# KiCad board 4servoboard-4x4.kicad_pcb (continued)
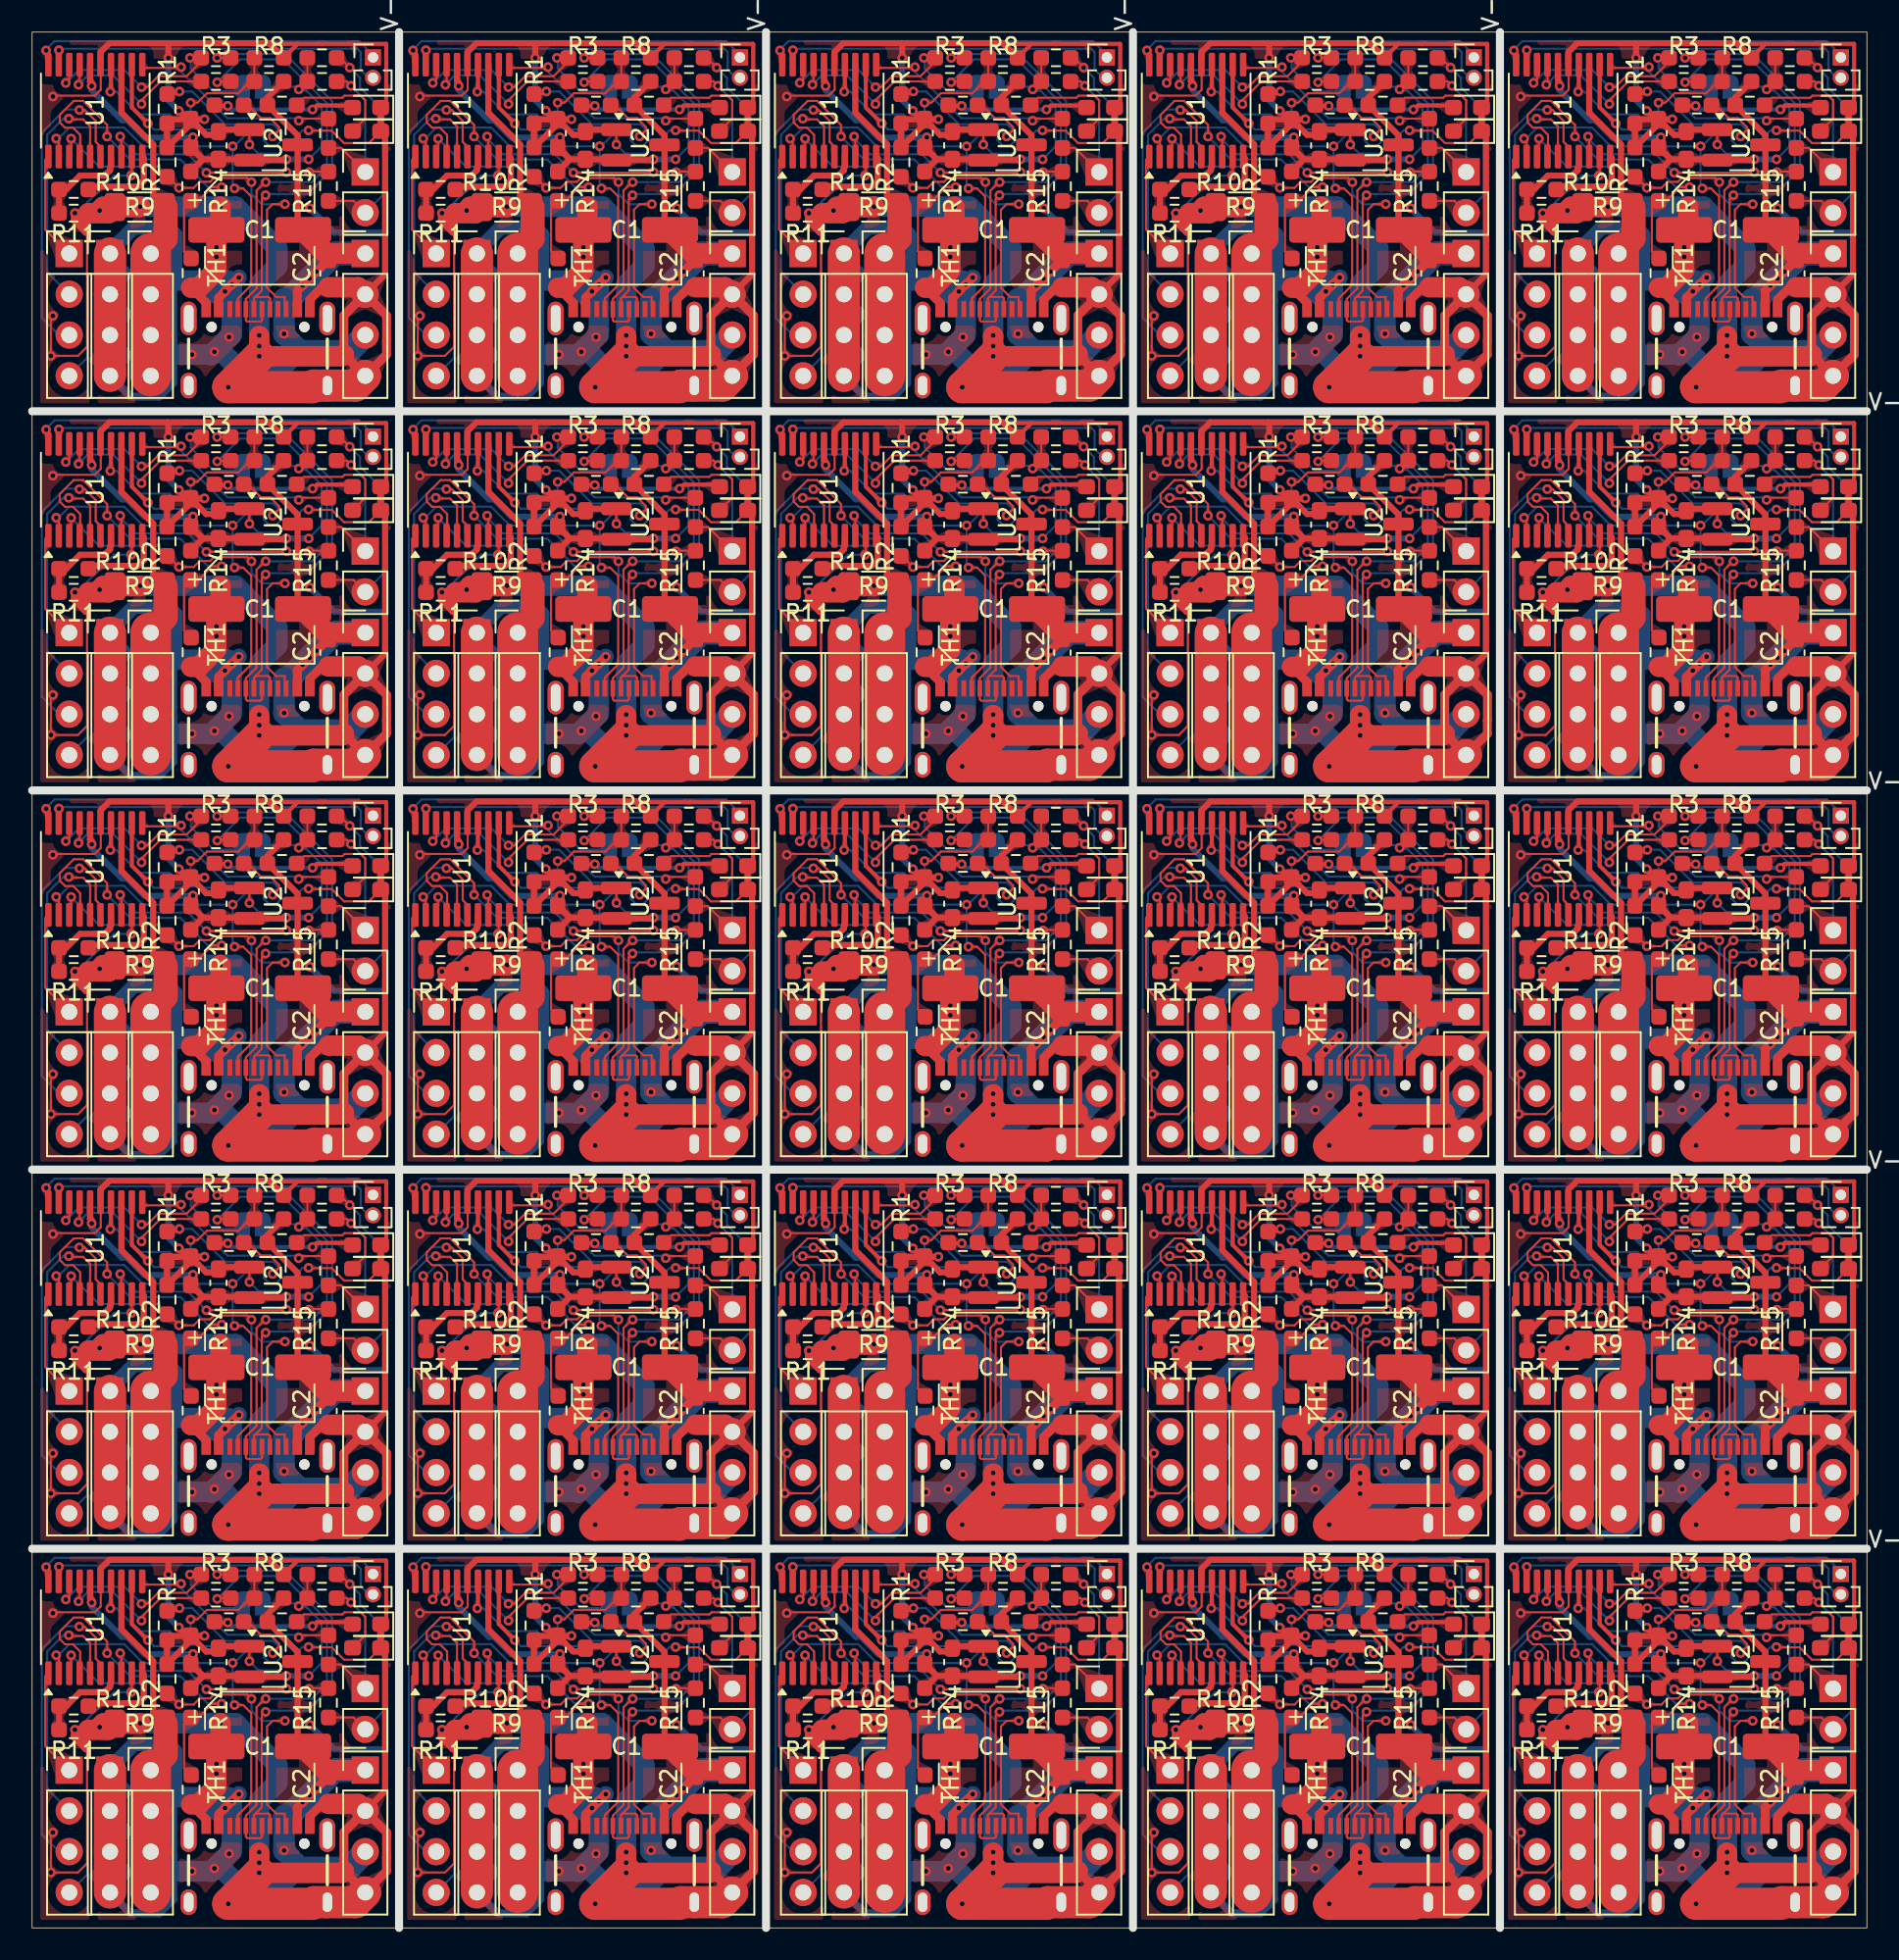
[diagram p0: board, top side]
## Routing (per net, layer and track width the routed paths; a pad name or vN(x,y) marks a point on that pad's centre or on a via; arc(x,y) is an arc through that point) (continued)
VBUS: length 2981.3
  Top w0.381: R7#8.1 60.38,90.4 R5#3.2 62.26,88.06 U2#10.3 62.26,82.51 C1#16.2 ; R7#6.1 106.1,90.4 R5#8.2 107.98,88.06 U2#12.3 107.98,82.51 C1#13.2 ; C1#9.2 85.12,82.51 U2#4.3 85.12,88.06 R5#19.2 83.24,90.4 R7#17.1 ; R7#4.1 37.52,66.78 R5#24.2 39.4,64.44 U2#5.3 39.4,58.89 C1#11.2 ; C1.2 62.26,35.27 U2#24.3 62.26,40.82 R5#4.2 60.38,43.16 R7#14.1 ; C1#22.2 85.12,58.89 U2#13.3 85.12,64.44 R5#6.2 83.24,66.78 R7#20.1 ; R7#22.1 106.1,66.78 R5#16.2 107.98,64.44 U2#8.3 107.98,58.89 C1#21.2 ; C1#4.2 16.54,106.13 U2#15.3 16.54,111.68 R5#11.2 14.66,114.02 R7#19.1 ; C1#6.2 85.12,35.27 U2#11.3 85.12,40.82 R5#5.2 83.24,43.16 R7#16.1 ; C1#15.2 16.54,82.51 U2.3 16.54,88.06 R5#22.2 14.66,90.4 R7#21.1 ; R7#18.1 60.38,114.02 R5#13.2 62.26,111.68 U2#17.3 62.26,106.13 C1#18.2 ; R7#23.1 60.38,66.78 R5#15.2 62.26,64.44 U2#18.3 62.26,58.89 C1#7.2 ; R7#24.1 106.1,114.02 R5#9.2 107.98,111.68 U2#20.3 107.98,106.13 C1#8.2 ; C1#24.2 107.98,11.65 U2#3.3 107.98,17.19 R5#20.2 106.1,19.54 R7#11.1 ; R7#10.1 14.66,43.16 R5#14.2 16.54,40.82 U2#2.3 16.54,35.27 C1#14.2 ; R7#7.1 60.38,19.54 R5#23.2 62.26,17.19 U2#21.3 62.26,11.65 C1#19.2 ; R7#25.1 37.52,90.4 R5#18.2 39.4,88.06 U2#19.3 39.4,82.51 C1#5.2 ; R7#12.1 14.66,66.78 R5#21.2 16.54,64.44 U2#9.3 16.54,58.89 C1#17.2 ; C1#25.2 85.12,11.65 U2#25.3 85.12,17.19 R5.2 83.24,19.54 R7#13.1 ; R7.1 37.52,19.54 R5#17.2 39.4,17.19 U2#6.3 39.4,11.65 C1#3.2 ; R7#5.1 106.1,43.16 R5#2.2 107.98,40.82 U2#22.3 107.98,35.27 C1#23.2 ; C1#20.2 39.4,106.13 U2#7.3 39.4,111.68 R5#25.2 37.52,114.02 R7#2.1 ; R7#9.1 37.52,43.16 R5#12.2 39.4,40.82 U2#14.3 39.4,35.27 C1#2.2 ; C1#12.2 85.12,106.13 U2#16.3 85.12,111.68 R5#10.2 83.24,114.02 R7#15.1 ; R7#3.1 14.66,19.54 R5#7.2 16.54,17.19 U2#23.3 16.54,11.65 C1#10.2
  Top w0.55: J1#9.VBUS 39.38,31.13 v1(39.71,31.46) v1(40.14,31.89) v1(40.58,32.32) C2#8.2 ; 84.43,58.55 C1#22.2 ; J1#17.VBUS 11.62,77.94 v1(12.01,78.33) v1(12.45,78.77) v1(12.88,79.2) ; J1#12.VBUS 34.48,54.32 v1(34.87,54.71) v1(35.31,55.14) v1(35.74,55.58) ; C2#20.2 v1(17.72,103.19) v1(17.28,102.76) v1(16.85,102.32) 16.52,101.99 J1#8.VBUS ; J1#4.VBUS 85.1,78.37 v1(85.43,78.7) v1(85.86,79.13) v1(86.3,79.57) C2#22.2 ; C2#17.2 v1(109.16,103.19) v1(108.72,102.76) v1(108.29,102.32) 107.96,101.99 J1#25.VBUS ; C2#14.2 v1(86.3,103.19) v1(85.86,102.76) v1(85.43,102.32) 85.1,101.99 J1#6.VBUS ; v1(81.46,31.95) v1(81.03,31.52) v1(80.59,31.09) 80.2,30.7 J1#5.VBUS ; v1(12.88,102.82) v1(12.45,102.39) v1(12.01,101.96) 11.62,101.56 J1#8.VBUS ; J1#13.VBUS 34.48,101.56 v1(34.87,101.96) v1(35.31,102.39) v1(35.74,102.82) ; J1#20.VBUS 62.24,31.13 v1(62.57,31.46) v1(63,31.89) v1(63.44,32.32) C2#24.2 ; J1#24.VBUS 62.24,78.37 v1(62.57,78.7) v1(63,79.13) v1(63.44,79.57) C2#13.2 ; C2#23.2 v1(63.44,55.94) v1(63,55.51) v1(62.57,55.08) 62.24,54.75 J1#22.VBUS ; v1(12.88,8.33) v1(12.45,7.9) v1(12.01,7.47) 11.62,7.08 J1#16.VBUS ; J1#2.VBUS 39.38,7.5 v1(39.71,7.84) v1(40.14,8.27) v1(40.58,8.7) C2#19.2 ; 15.85,34.93 C1#14.2 ; J1.VBUS 85.1,7.5 v1(85.43,7.84) v1(85.86,8.27) v1(86.3,8.7) C2#9.2 ; 61.57,58.55 C1#7.2 ; J1#10.VBUS 107.96,54.75 v1(108.29,55.08) v1(108.72,55.51) v1(109.16,55.94) C2#12.2 ; 107.29,58.55 C1#21.2 ; C2#15.2 v1(109.16,32.32) v1(108.72,31.89) v1(108.29,31.46) 107.96,31.13 J1#14.VBUS ; J1#6.VBUS 80.2,101.56 v1(80.59,101.96) v1(81.03,102.39) v1(81.46,102.82) ; C2#7.2 v1(17.72,55.94) v1(17.28,55.51) v1(16.85,55.08) 16.52,54.75 J1#19.VBUS ; 38.71,11.3 C1#3.2 ; J1#7.VBUS 16.52,31.13 v1(16.85,31.46) v1(17.28,31.89) v1(17.72,32.32) C2#6.2 ; v1(81.46,79.2) v1(81.03,78.77) v1(80.59,78.33) 80.2,77.94 J1#4.VBUS ; C2#11.2 v1(63.44,103.19) v1(63,102.76) v1(62.57,102.32) 62.24,101.99 J1#11.VBUS ; v1(81.46,8.33) v1(81.03,7.9) v1(80.59,7.47) 80.2,7.08 J1.VBUS ; J1#18.VBUS 39.38,78.37 v1(39.71,78.7) v1(40.14,79.13) v1(40.58,79.57) C2#2.2 ; v1(35.74,8.33) v1(35.31,7.9) v1(34.87,7.47) 34.48,7.08 J1#2.VBUS ; v1(104.32,102.82) v1(103.89,102.39) v1(103.45,101.96) 103.06,101.56 J1#25.VBUS ; v1(58.6,102.82) v1(58.17,102.39) v1(57.73,101.96) 57.34,101.56 J1#11.VBUS ; C2#16.2 v1(86.3,55.94) v1(85.86,55.51) v1(85.43,55.08) 85.1,54.75 J1#3.VBUS ; C2#18.2 v1(17.72,8.7) v1(17.28,8.27) v1(16.85,7.84) 16.52,7.5 J1#16.VBUS ; J1#15.VBUS 57.34,7.08 v1(57.73,7.47) v1(58.17,7.9) v1(58.6,8.33) ; J1#21.VBUS 107.96,7.5 v1(108.29,7.84) v1(108.72,8.27) v1(109.16,8.7) C2.2 ; v1(104.32,79.2) v1(103.89,78.77) v1(103.45,78.33) 103.06,77.94 J1#23.VBUS ; 107.29,11.3 C1#24.2 ; v1(58.6,79.2) v1(58.17,78.77) v1(57.73,78.33) 57.34,77.94 J1#24.VBUS ; J1#23.VBUS 107.96,78.37 v1(108.29,78.7) v1(108.72,79.13) v1(109.16,79.57) C2#5.2 ; 15.85,82.17 C1#15.2 ; v1(81.46,55.58) v1(81.03,55.14) v1(80.59,54.71) 80.2,54.32 J1#3.VBUS ; J1#9.VBUS 34.48,30.7 v1(34.87,31.09) v1(35.31,31.52) v1(35.74,31.95) ; 61.57,11.3 C1#19.2 ; 107.29,82.17 C1#13.2 ; C2#10.2 v1(17.72,79.57) v1(17.28,79.13) v1(16.85,78.7) 16.52,78.37 J1#17.VBUS ; v1(58.6,31.95) v1(58.17,31.52) v1(57.73,31.09) 57.34,30.7 J1#20.VBUS ; 61.57,105.79 C1#18.2 ; J1#14.VBUS 103.06,30.7 v1(103.45,31.09) v1(103.89,31.52) v1(104.32,31.95) ; 84.43,11.3 C1#25.2 ; 15.85,11.3 C1#10.2 ; v1(35.74,79.2) v1(35.31,78.77) v1(34.87,78.33) 34.48,77.94 J1#18.VBUS ; 38.71,105.79 C1#20.2 ; J1#19.VBUS 11.62,54.32 v1(12.01,54.71) v1(12.45,55.14) v1(12.88,55.58) ; J1#7.VBUS 11.62,30.7 v1(12.01,31.09) v1(12.45,31.52) v1(12.88,31.95) ; v1(104.32,8.33) v1(103.89,7.9) v1(103.45,7.47) 103.06,7.08 J1#21.VBUS ; 107.29,105.79 C1#8.2 ; 61.57,34.93 C1.2 ; 38.71,58.55 C1#11.2 ; 15.85,105.79 C1#4.2 ; v1(104.32,55.58) v1(103.89,55.14) v1(103.45,54.71) 103.06,54.32 J1#10.VBUS ; C2#3.2 v1(40.58,55.94) v1(40.14,55.51) v1(39.71,55.08) 39.38,54.75 J1#12.VBUS ; C2#21.2 v1(63.44,8.7) v1(63,8.27) v1(62.57,7.84) 62.24,7.5 J1#15.VBUS ; 84.43,105.79 C1#12.2 ; 38.71,82.17 C1#5.2 ; 15.85,58.55 C1#17.2 ; J1#5.VBUS 85.1,31.13 v1(85.43,31.46) v1(85.86,31.89) v1(86.3,32.32) C2#4.2 ; C2#25.2 v1(40.58,103.19) v1(40.14,102.76) v1(39.71,102.32) 39.38,101.99 J1#13.VBUS ; 38.71,34.93 C1#2.2 ; 107.29,34.93 C1#23.2 ; 61.57,82.17 C1#16.2 ; 84.43,34.93 C1#6.2 ; J1#22.VBUS 57.34,54.32 v1(57.73,54.71) v1(58.17,55.14) v1(58.6,55.58) ; 84.43,82.17 C1#9.2
  Top w1: C1#13.2 108.32,81.9 C2#5.2 ; C1#11.2 39.74,58.28 C2#3.2 ; C1#24.2 108.32,11.03 C2.2 ; C2#25.2 39.74,105.52 C1#20.2 ; C1#7.2 62.6,58.28 C2#23.2 ; C1#3.2 39.74,11.03 C2#19.2 ; C2#20.2 16.88,105.52 C1#4.2 ; C2#10.2 16.88,81.9 C1#15.2 ; C1#14.2 16.88,34.66 C2#6.2 ; C2#7.2 16.88,58.28 C1#17.2 ; C1#12.2 85.46,105.52 C2#14.2 ; C1#16.2 62.6,81.9 C2#13.2 ; C2#24.2 62.6,34.66 C1.2 ; C1#22.2 85.46,58.28 C2#16.2 ; C1#18.2 62.6,105.52 C2#11.2 ; C1#19.2 62.6,11.03 C2#21.2 ; C2#4.2 85.46,34.66 C1#6.2 ; C2#9.2 85.46,11.03 C1#25.2 ; C2#17.2 108.32,105.52 C1#8.2 ; C2#12.2 108.32,58.28 C1#21.2 ; C1#2.2 39.74,34.66 C2#8.2 ; C1#5.2 39.74,81.9 C2#2.2 ; C1#9.2 85.46,81.9 C2#22.2 ; C2#18.2 16.88,11.03 C1#10.2 ; C1#23.2 108.32,34.66 C2#15.2
  Top w1.27: J6#24.1 41.21,80.7 C1#5.2 ; J6#15.1 86.93,80.7 C1#9.2 ; J6#2.1 86.93,33.45 C1#6.2 ; C1#22.2 86.93,57.07 J6#12.1 ; C1#3.2 41.21,9.83 J6#3.1 ; C1#15.2 18.35,80.7 J6#23.1 ; C1#11.2 41.21,57.07 J6#19.1 ; J6#25.1 109.79,9.83 C1#24.2 ; C1#12.2 86.93,104.32 J6.1 ; C1#18.2 64.07,104.32 J6#14.1 ; J6#4.1 64.07,80.7 C1#16.2 ; J6#17.1 109.79,80.7 C1#13.2 ; J6#5.1 18.35,57.07 C1#17.2 ; C1#4.2 18.35,104.32 J6#7.1 ; J6#18.1 18.35,33.45 C1#14.2 ; C1#2.2 41.21,33.45 J6#22.1 ; C1#25.2 86.93,9.83 J6#21.1 ; J6#20.1 109.79,57.07 C1#21.2 ; C1.2 64.07,33.45 J6#8.1 ; J6#10.1 18.35,9.83 C1#10.2 ; J6#11.1 109.79,104.32 C1#8.2 ; J6#9.1 64.07,57.07 C1#7.2 ; J6#6.1 109.79,33.45 C1#23.2 ; J6#16.1 41.21,104.32 C1#20.2 ; J6#13.1 64.07,9.83 C1#19.2
  Top w2: J5#24.1 J5#24.4 ; J5#14.1 J5#14.4 ; J5#8.1 J5#8.4 ; J5#21.1 J5#21.4 ; J5#10.1 J5#10.4 ; J5#7.1 J5#7.4 ; J5#23.1 J5#23.4 ; J5#6.1 J5#6.4 ; J5#19.1 J5#19.4 ; J5#17.1 J5#17.4 ; J5#18.1 J5#18.4 ; J5#15.1 J5#15.4 ; J5#3.1 J5#3.4 ; J5#12.1 J5#12.4 ; J5.1 J5.4 ; J5#4.1 J5#4.4 ; J5#9.1 J5#9.4 ; J5#11.1 J5#11.4 ; J5#5.1 J5#5.4 ; J5#22.1 J5#22.4 ; J5#16.1 J5#16.4 ; J5#2.1 J5#2.4 ; J5#13.1 J5#13.4 ; J5#25.1 J5#25.4 ; J5#20.1 J5#20.4
  Bottom w0.41: 28.97,103.03 28.97,103.06 J5#16.1 ; 28.97,103.03 30.77,103.03 ; 28.97,103.03 J5#16.2 28.97,100.52 28.97,100.49 ; 76.49,29.63 77.37,30.5 ; 76.49,29.63 77.37,28.75 ; 76.49,29.63 74.69,29.63 ; 30.77,53.25 31.65,54.13 ; 30.77,53.25 28.97,53.25 ; 30.77,53.25 31.65,52.37 ; 30.77,103.03 31.65,102.16 ; 30.77,103.03 30.79,103.05 31.65,103.05 ; 30.77,8.55 30.79,8.56 31.65,8.56 ; 30.77,8.55 31.65,7.67 ; 30.77,8.55 28.97,8.55 ; 76.49,32.17 77.37,31.29 ; 76.49,32.17 74.69,32.17 ; 76.49,32.17 76.51,32.18 77.37,32.18 ; 51.83,103.03 53.63,103.03 ; 51.83,103.03 51.83,103.06 J5#6.1 ; 51.83,103.03 J5#6.2 51.83,100.52 51.83,100.49 ; 53.63,103.03 54.51,102.16 ; 53.63,103.03 53.65,103.05 54.51,103.05 ; 51.83,100.49 J5#6.3 51.83,97.98 51.86,97.98 ; 51.83,100.49 53.63,100.49 ; 7.91,79.41 8.79,78.54 ; 7.91,79.41 7.93,79.43 8.79,79.43 ; 7.91,79.41 6.11,79.41 ; 74.69,8.55 J5#21.2 74.69,6.03 74.69,6.01 ; 74.69,8.55 74.69,8.57 J5#21.1 ; 74.69,8.55 76.49,8.55 ; J5#17.1 97.55,55.82 97.55,55.79 ; 29,97.98 31.65,97.98 ; 29,97.98 28.97,97.98 J5#16.3 28.97,100.49 ; 29,97.98 J5#16.4 ; 97.55,6.01 99.35,6.01 ; 97.55,6.01 J5#23.3 97.55,3.49 97.58,3.49 ; 97.55,6.01 97.55,6.03 J5#23.2 97.55,8.55 ; 99.35,6.01 100.23,6.88 ; 99.35,6.01 100.23,5.13 ; 74.69,32.17 J5#20.2 74.69,29.66 74.69,29.63 ; 74.69,32.17 74.69,32.2 J5#20.1 ; 100.23,32.18 99.37,32.18 99.35,32.17 ; 74.69,103.03 J5#22.2 74.69,100.52 74.69,100.49 ; 74.69,103.03 76.49,103.03 ; 74.69,103.03 74.69,103.06 J5#22.1 ; 7.91,55.79 8.79,54.91 ; 7.91,55.79 6.11,55.79 ; 7.91,55.79 7.93,55.8 8.79,55.8 ; 97.55,8.55 97.55,8.57 J5#23.1 ; 97.55,8.55 99.35,8.55 ; 28.97,79.41 30.77,79.41 ; 28.97,79.41 28.97,79.44 J5#25.1 ; 28.97,79.41 J5#25.2 28.97,76.9 28.97,76.87 ; 30.77,79.41 31.65,78.54 ; 30.77,79.41 30.79,79.43 31.65,79.43 ; 76.49,53.25 77.37,52.37 ; 76.49,53.25 77.37,54.13 ; 76.49,53.25 74.69,53.25 ; 7.91,53.25 8.79,52.37 ; 7.91,53.25 6.11,53.25 ; 7.91,53.25 8.79,54.13 ; 97.58,50.74 100.23,50.74 ; 97.58,50.74 J5#17.4 ; 97.58,50.74 97.55,50.74 J5#17.3 97.55,53.25 ; 6.11,29.63 6.11,29.66 J5#2.2 6.11,32.17 ; 6.11,29.63 7.91,29.63 ; 6.11,29.63 J5#2.3 6.11,27.12 6.14,27.12 ; 28.97,76.87 30.77,76.87 ; 28.97,76.87 J5#25.3 28.97,74.36 29,74.36 ; 30.77,76.87 31.65,77.75 ; 30.77,76.87 31.65,76 ; J5#5.1 6.11,103.06 6.11,103.03 ; 74.72,74.36 J5#3.4 ; 74.72,74.36 74.69,74.36 J5#3.3 74.69,76.87 ; 74.72,74.36 77.37,74.36 ; J5#3.1 74.69,79.44 74.69,79.41 ; 74.72,3.49 77.37,3.49 ; 74.72,3.49 J5#21.4 ; 74.72,3.49 74.69,3.49 J5#21.3 74.69,6.01 ; 74.69,55.79 J5#12.2 74.69,53.28 74.69,53.25 ; 74.69,55.79 74.69,55.82 J5#12.1 ; 74.69,55.79 76.49,55.79 ; 51.86,74.36 J5.4 ; 51.86,74.36 54.51,74.36 ; 51.86,74.36 51.83,74.36 J5.3 51.83,76.87 ; 51.83,53.25 53.63,53.25 ; 51.83,53.25 J5#24.3 51.83,50.74 51.86,50.74 ; 51.83,53.25 51.83,53.28 J5#24.2 51.83,55.79 ; 53.63,53.25 54.51,54.13 ; 53.63,53.25 54.51,52.37 ; 74.69,6.01 76.49,6.01 ; 51.86,3.49 51.83,3.49 J5#13.3 51.83,6.01 ; 51.86,3.49 54.51,3.49 ; 51.86,3.49 J5#13.4 ; 97.55,55.79 J5#17.2 97.55,53.28 97.55,53.25 ; 97.55,55.79 99.35,55.79 ; 7.91,32.17 8.79,31.29 ; 7.91,32.17 6.11,32.17 ; 7.91,32.17 7.93,32.18 8.79,32.18 ; 31.65,32.18 30.79,32.18 30.77,32.17 ; 51.83,8.55 J5#13.2 51.83,6.03 51.83,6.01 ; 51.83,8.55 53.63,8.55 ; 51.83,8.55 51.83,8.57 J5#13.1 ; 6.14,50.74 6.11,50.74 J5#7.3 6.11,53.25 ; 6.14,50.74 8.79,50.74 ; 6.14,50.74 J5#7.4 ; 7.91,8.55 8.79,7.67 ; 7.91,8.55 6.11,8.55 ; 7.91,8.55 7.93,8.56 8.79,8.56 ; 7.91,100.49 8.79,99.62 ; 7.91,100.49 6.11,100.49 ; 7.91,100.49 8.79,101.37 ; 74.69,79.41 J5#3.2 74.69,76.9 74.69,76.87 ; 74.69,79.41 76.49,79.41 ; 6.11,32.17 6.11,32.2 J5#2.1 ; 7.91,29.63 8.79,30.5 ; 7.91,29.63 8.79,28.75 ; 77.37,79.43 76.51,79.43 76.49,79.41 ; 51.83,29.63 J5#19.3 51.83,27.12 51.86,27.12 ; 51.83,29.63 53.63,29.63 ; 51.83,29.63 51.83,29.66 J5#19.2 51.83,32.17 ; 76.49,103.03 77.37,102.16 ; 76.49,103.03 76.51,103.05 77.37,103.05 ; 99.35,103.03 99.37,103.05 100.23,103.05 ; 99.35,103.03 100.23,102.16 ; 99.35,103.03 97.55,103.03 ; 28.97,8.55 28.97,8.57 J5#10.1 ; 28.97,8.55 J5#10.2 28.97,6.03 28.97,6.01 ; 6.11,6.01 J5#11.3 6.11,3.49 6.14,3.49 ; 6.11,6.01 6.11,6.03 J5#11.2 6.11,8.55 ; 6.11,6.01 7.91,6.01 ; 30.77,32.17 28.97,32.17 ; 30.77,32.17 31.65,31.29 ; 6.14,97.98 6.11,97.98 J5#5.3 6.11,100.49 ; 6.14,97.98 8.79,97.98 ; 6.14,97.98 J5#5.4 ; 99.35,76.87 100.23,76 ; 99.35,76.87 97.55,76.87 ; 99.35,76.87 100.23,77.75 ; 54.51,55.8 53.65,55.8 53.63,55.79 ; 74.69,76.87 76.49,76.87 ; 6.11,53.25 6.11,53.28 J5#7.2 6.11,55.79 ; 76.49,76.87 77.37,76 ; 76.49,76.87 77.37,77.75 ; 99.35,79.41 100.23,78.54 ; 99.35,79.41 99.37,79.43 100.23,79.43 ; 99.35,79.41 97.55,79.41 ; 97.55,103.03 J5#15.2 97.55,100.52 97.55,100.49 ; 97.55,103.03 97.55,103.06 J5#15.1 ; 51.83,32.17 53.63,32.17 ; 51.83,32.17 51.83,32.2 J5#19.1 ; 29,27.12 J5#18.4 ; 29,27.12 31.65,27.12 ; 29,27.12 28.97,27.12 J5#18.3 28.97,29.63 ; 97.58,27.12 J5#4.4 ; 97.58,27.12 97.55,27.12 J5#4.3 97.55,29.63 ; 97.58,27.12 100.23,27.12 ; J5.1 51.83,79.44 51.83,79.41 ; 99.35,8.55 100.23,7.67 ; 99.35,8.55 99.37,8.56 100.23,8.56 ; 97.55,79.41 J5#8.2 97.55,76.9 97.55,76.87 ; 97.55,79.41 97.55,79.44 J5#8.1 ; 74.69,100.49 76.49,100.49 ; 74.69,100.49 J5#22.3 74.69,97.98 74.72,97.98 ; 6.11,8.55 6.11,8.57 J5#11.1 ; 97.58,74.36 100.23,74.36 ; 97.58,74.36 97.55,74.36 J5#8.3 97.55,76.87 ; 97.58,74.36 J5#8.4 ; 29,3.49 31.65,3.49 ; 29,3.49 28.97,3.49 J5#10.3 28.97,6.01 ; 29,3.49 J5#10.4 ; 28.97,32.17 28.97,32.2 J5#18.1 ; 28.97,32.17 J5#18.2 28.97,29.66 28.97,29.63 ; 30.77,29.63 31.65,28.75 ; 30.77,29.63 28.97,29.63 ; 30.77,29.63 31.65,30.5 ; 53.63,29.63 54.51,30.5 ; 53.63,29.63 54.51,28.75 ; 31.65,55.8 30.79,55.8 30.77,55.79 ; 6.14,3.49 J5#11.4 ; 6.14,3.49 8.79,3.49 ; 28.97,100.49 30.77,100.49 ; 30.77,100.49 31.65,99.62 ; 30.77,100.49 31.65,101.37 ; 7.91,6.01 8.79,5.13 ; 7.91,6.01 8.79,6.88 ; 77.37,55.8 76.51,55.8 76.49,55.79 ; 99.35,100.49 100.23,99.62 ; 99.35,100.49 97.55,100.49 ; 99.35,100.49 100.23,101.37 ; 74.72,27.12 74.69,27.12 J5#20.3 74.69,29.63 ; 74.72,27.12 J5#20.4 ; 74.72,27.12 77.37,27.12 ; 53.63,8.55 54.51,7.67 ; 53.63,8.55 53.65,8.56 54.51,8.56 ; 6.11,79.41 6.11,79.44 J5#14.1 ; 6.11,79.41 J5#14.2 6.11,76.9 6.11,76.87 ; 97.58,97.98 97.55,97.98 J5#15.3 97.55,100.49 ; 97.58,97.98 100.23,97.98 ; 97.58,97.98 J5#15.4 ; 77.37,8.56 76.51,8.56 76.49,8.55 ; 6.11,100.49 6.11,100.52 J5#5.2 6.11,103.03 ; 28.97,53.25 28.97,53.28 J5#9.2 28.97,55.79 ; 28.97,53.25 J5#9.3 28.97,50.74 29,50.74 ; 7.91,76.87 8.79,77.75 ; 7.91,76.87 8.79,76 ; 7.91,76.87 6.11,76.87 ; 6.11,55.79 6.11,55.82 J5#7.1 ; J5#4.1 97.55,32.2 97.55,32.17 ; 53.63,79.41 53.65,79.43 54.51,79.43 ; 53.63,79.41 51.83,79.41 ; 53.63,79.41 54.51,78.54 ; 97.58,3.49 100.23,3.49 ; 97.58,3.49 J5#23.4 ; 100.23,55.8 99.37,55.8 99.35,55.79 ; 29,74.36 31.65,74.36 ; 29,74.36 J5#25.4 ; 53.63,100.49 54.51,99.62 ; 53.63,100.49 54.51,101.37 ; 51.83,79.41 J5.2 51.83,76.9 51.83,76.87 ; 6.11,76.87 J5#14.3 6.11,74.36 6.14,74.36 ; 30.77,55.79 31.65,54.91 ; 30.77,55.79 28.97,55.79 ; 97.55,53.25 99.35,53.25 ; 99.35,53.25 100.23,54.13 ; 99.35,53.25 100.23,52.37 ; 99.35,55.79 100.23,54.91 ; 51.83,76.87 53.63,76.87 ; 51.83,6.01 53.63,6.01 ; 99.35,29.63 100.23,28.75 ; 99.35,29.63 100.23,30.5 ; 99.35,29.63 97.55,29.63 ; 76.49,100.49 77.37,101.37 ; 76.49,100.49 77.37,99.62 ; 76.49,8.55 77.37,7.67 ; 29,50.74 31.65,50.74 ; 29,50.74 J5#9.4 ; 53.63,32.17 53.65,32.18 54.51,32.18 ; 53.63,32.17 54.51,31.29 ; J5#24.1 51.83,55.82 51.83,55.79 ; 6.14,27.12 J5#2.4 ; 6.14,27.12 8.79,27.12 ; 28.97,6.01 30.77,6.01 ; 97.55,32.17 J5#4.2 97.55,29.66 97.55,29.63 ; 97.55,32.17 99.35,32.17 ; 28.97,55.79 28.97,55.82 J5#9.1 ; 51.86,50.74 J5#24.4 ; 51.86,50.74 54.51,50.74 ; 74.72,97.98 J5#22.4 ; 74.72,97.98 77.37,97.98 ; 53.63,55.79 54.51,54.91 ; 53.63,55.79 51.83,55.79 ; 76.49,55.79 77.37,54.91 ; 53.63,6.01 54.51,6.88 ; 53.63,6.01 54.51,5.13 ; 51.86,27.12 54.51,27.12 ; 51.86,27.12 J5#19.4 ; 6.14,74.36 8.79,74.36 ; 6.14,74.36 J5#14.4 ; 8.79,103.05 7.93,103.05 7.91,103.03 ; 6.11,103.03 7.91,103.03 ; 74.72,50.74 74.69,50.74 J5#12.3 74.69,53.25 ; 74.72,50.74 77.37,50.74 ; 74.72,50.74 J5#12.4 ; 99.35,32.17 100.23,31.29 ; 76.49,6.01 77.37,6.88 ; 76.49,6.01 77.37,5.13 ; 7.91,103.03 8.79,102.16 ; 51.86,97.98 J5#6.4 ; 51.86,97.98 54.51,97.98 ; 76.49,79.41 77.37,78.54 ; 30.77,6.01 31.65,6.88 ; 30.77,6.01 31.65,5.13 ; 53.63,76.87 54.51,77.75 ; 53.63,76.87 54.51,76
  Bottom w0.5: J5#11.4 6.15,0.91 7.93,0.91 8.79,1.77 8.79,4.5 ; J5#5.4 6.15,95.4 7.93,95.4 8.79,96.25 8.79,98.98 ; 8.79,75.36 8.79,79.43 ; 8.79,75.36 8.79,72.63 7.93,71.77 6.15,71.77 J5#14.4 ; 8.79,75.36 8.79,74.36 ; 8.79,103.05 8.79,98.98 ; 31.65,28.12 31.65,32.18 ; 31.65,28.12 31.65,25.39 30.79,24.53 29.01,24.53 J5#18.4 ; 31.65,28.12 31.65,27.12 ; 100.23,28.12 100.23,25.39 99.37,24.53 97.59,24.53 J5#4.4 ; 100.23,28.12 100.23,27.12 ; 100.23,28.12 100.23,32.18 ; 77.37,28.12 77.37,32.18 ; 77.37,28.12 77.37,25.39 76.51,24.53 74.73,24.53 J5#20.4 ; 77.37,28.12 77.37,27.12 ; 77.37,98.98 77.37,96.25 76.51,95.4 74.73,95.4 J5#22.4 ; 77.37,98.98 77.37,103.05 ; 77.37,98.98 77.37,97.98 ; 100.23,51.74 100.23,50.74 ; 100.23,51.74 100.23,49.01 99.37,48.15 97.59,48.15 J5#17.4 ; 100.23,51.74 100.23,55.8 ; J5#6.4 51.87,95.4 53.65,95.4 54.51,96.25 54.51,98.98 ; 100.23,98.98 100.23,97.98 ; 100.23,98.98 100.23,103.05 ; 100.23,98.98 100.23,96.25 99.37,95.4 97.59,95.4 J5#15.4 ; 8.79,28.12 8.79,25.39 7.93,24.53 6.15,24.53 J5#2.4 ; 8.79,28.12 8.79,32.18 ; 8.79,28.12 8.79,27.12 ; 100.23,75.36 100.23,72.63 99.37,71.77 97.59,71.77 J5#8.4 ; 100.23,75.36 100.23,74.36 ; 100.23,75.36 100.23,79.43 ; 31.65,4.5 31.65,8.56 ; 31.65,4.5 31.65,1.77 30.79,0.91 29.01,0.91 J5#10.4 ; 31.65,4.5 31.65,3.49 ; 77.37,51.74 77.37,50.74 ; 77.37,51.74 77.37,55.8 ; 77.37,51.74 77.37,49.01 76.51,48.15 74.73,48.15 J5#12.4 ; 8.79,98.98 8.79,97.98 ; 54.51,51.74 54.51,50.74 ; 54.51,51.74 54.51,55.8 ; 54.51,51.74 54.51,49.01 53.65,48.15 51.87,48.15 J5#24.4 ; 54.51,75.36 54.51,74.36 ; 54.51,75.36 54.51,79.43 ; 54.51,75.36 54.51,72.63 53.65,71.77 51.87,71.77 J5.4 ; 31.65,51.74 31.65,55.8 ; 31.65,51.74 31.65,50.74 ; 31.65,51.74 31.65,49.01 30.79,48.15 29.01,48.15 J5#9.4 ; 77.37,75.36 77.37,72.63 76.51,71.77 74.73,71.77 J5#3.4 ; 77.37,75.36 77.37,79.43 ; 77.37,75.36 77.37,74.36 ; 8.79,8.56 8.79,4.5 ; 54.51,98.98 54.51,103.05 ; 54.51,98.98 54.51,97.98 ; 100.23,4.5 100.23,3.49 ; 100.23,4.5 100.23,1.77 99.37,0.91 97.59,0.91 J5#23.4 ; 100.23,4.5 100.23,8.56 ; 8.79,51.74 8.79,55.8 ; 8.79,51.74 8.79,49.01 7.93,48.15 6.15,48.15 J5#7.4 ; 8.79,51.74 8.79,50.74 ; 54.51,4.5 54.51,3.49 ; 54.51,4.5 54.51,1.77 53.65,0.91 51.87,0.91 J5#13.4 ; 54.51,4.5 54.51,8.56 ; 31.65,98.98 31.65,96.25 30.79,95.4 29.01,95.4 J5#16.4 ; 31.65,98.98 31.65,103.05 ; 31.65,98.98 31.65,97.98 ; 77.37,4.5 77.37,1.77 76.51,0.91 74.73,0.91 J5#21.4 ; 77.37,4.5 77.37,3.49 ; 77.37,4.5 77.37,8.56 ; J5#25.4 29.01,71.77 30.79,71.77 31.65,72.63 31.65,75.36 ; 54.51,28.12 54.51,25.39 53.65,24.53 51.87,24.53 J5#19.4 ; 54.51,28.12 54.51,27.12 ; 54.51,28.12 54.51,32.18 ; 8.79,4.5 8.79,3.49 ; 31.65,79.43 31.65,75.36 ; 31.65,75.36 31.65,74.36
  Bottom w0.9: 54.51,8.56 54.64,8.69 54.64,11 54.18,11.46 52.07,11.46 50.57,9.96 J5#13.1 ; J5#20.1 73.43,33.58 74.93,35.08 77.04,35.08 77.5,34.62 77.5,32.31 77.37,32.18 ; 54.51,55.8 54.64,55.93 54.64,58.24 54.18,58.7 52.07,58.7 50.57,57.2 J5#24.1 ; J5#7.1 4.85,57.2 6.35,58.7 8.46,58.7 8.92,58.24 8.92,55.93 8.79,55.8 ; 100.23,55.8 100.36,55.93 100.36,58.24 99.9,58.7 97.79,58.7 96.29,57.2 J5#17.1 ; 31.65,103.05 31.78,103.17 31.78,105.49 31.32,105.94 29.21,105.94 27.71,104.44 J5#16.1 ; 54.51,79.43 54.64,79.55 54.64,81.86 54.18,82.32 52.07,82.32 50.57,80.82 J5.1 ; 77.37,103.05 77.5,103.17 77.5,105.49 77.04,105.94 74.93,105.94 73.43,104.44 J5#22.1 ; J5#12.1 73.43,57.2 74.93,58.7 77.04,58.7 77.5,58.24 77.5,55.93 77.37,55.8 ; 8.79,103.05 8.92,103.17 8.92,105.49 8.46,105.94 6.35,105.94 4.85,104.44 J5#5.1 ; 100.23,8.56 100.36,8.69 100.36,11 99.9,11.46 97.79,11.46 96.29,9.96 J5#23.1 ; J5#4.1 96.29,33.58 97.79,35.08 99.9,35.08 100.36,34.62 100.36,32.31 100.23,32.18 ; J5#25.1 27.71,80.82 29.21,82.32 31.32,82.32 31.78,81.86 31.78,79.55 31.65,79.43 ; J5#2.1 4.85,33.58 6.35,35.08 8.46,35.08 8.92,34.62 8.92,32.31 8.79,32.18 ; 54.51,32.18 54.64,32.31 54.64,34.62 54.18,35.08 52.07,35.08 50.57,33.58 J5#19.1 ; 100.23,103.05 100.36,103.17 100.36,105.49 99.9,105.94 97.79,105.94 96.29,104.44 J5#15.1 ; 54.51,103.05 54.64,103.17 54.64,105.49 54.18,105.94 52.07,105.94 50.57,104.44 J5#6.1 ; J5#3.1 73.43,80.82 74.93,82.32 77.04,82.32 77.5,81.86 77.5,79.55 77.37,79.43 ; 8.79,79.43 8.92,79.55 8.92,81.86 8.46,82.32 6.35,82.32 4.85,80.82 J5#14.1 ; J5#11.1 4.85,9.96 6.35,11.46 8.46,11.46 8.92,11 8.92,8.69 8.79,8.56 ; 77.37,8.56 77.5,8.69 77.5,11 77.04,11.46 74.93,11.46 73.43,9.96 J5#21.1 ; 31.65,32.18 31.78,32.31 31.78,34.62 31.32,35.08 29.21,35.08 27.71,33.58 J5#18.1 ; 31.65,55.8 31.78,55.93 31.78,58.24 31.32,58.7 29.21,58.7 27.71,57.2 J5#9.1 ; 100.23,79.43 100.36,79.55 100.36,81.86 99.9,82.32 97.79,82.32 96.29,80.82 J5#8.1 ; 31.65,8.56 31.78,8.69 31.78,11 31.32,11.46 29.21,11.46 27.71,9.96 J5#10.1
  Bottom w1: 61.44,101.19 v1(62.57,102.32) ; v1(12.88,31.95) v1(12.01,31.09) ; v1(85.43,78.7) 84.3,77.57 ; v1(16.85,7.84) 15.72,6.71 ; 54.51,27.12 54.52,27.13 ; v1(39.71,7.84) 38.58,6.71 ; 31.65,74.36 31.66,74.37 ; 31.65,50.74 31.66,50.75 ; v1(81.46,79.2) v1(80.59,78.33) ; v1(62.57,55.08) 61.44,53.95 ; 31.65,3.49 31.66,3.51 ; v1(108.29,78.7) 107.16,77.57 ; 8.79,97.98 8.8,97.99 ; v1(104.32,79.2) v1(103.45,78.33) ; 31.65,97.98 31.66,97.99 ; 100.23,50.74 100.24,50.75 ; v1(12.88,79.2) v1(12.01,78.33) ; 15.72,53.95 v1(16.85,55.08) ; v1(104.32,55.58) v1(103.45,54.71) ; 107.16,30.33 v1(108.29,31.46) ; 77.37,27.12 77.38,27.13 ; v1(16.85,102.32) 15.72,101.19 ; v1(16.85,31.46) 15.72,30.33 ; v1(39.71,102.32) 38.58,101.19 ; 61.44,77.57 v1(62.57,78.7) ; 8.79,3.49 8.8,3.51 ; 54.51,74.36 54.52,74.37 ; v1(104.32,8.33) v1(103.45,7.47) ; v1(108.29,55.08) 107.16,53.95 ; 77.37,50.74 77.38,50.75 ; 84.3,6.71 v1(85.43,7.84) ; v1(62.57,31.46) 61.44,30.33 ; v1(81.46,8.33) v1(80.59,7.47) ; 100.23,74.36 100.24,74.37 ; v1(12.88,8.33) v1(12.01,7.47) ; v1(58.6,79.2) v1(57.73,78.33) ; v1(39.71,31.46) 38.58,30.33 ; 77.37,97.98 77.38,97.99 ; v1(35.74,79.2) v1(34.87,78.33) ; v1(81.46,31.95) v1(80.59,31.09) ; v1(58.6,55.58) v1(57.73,54.71) ; 8.79,74.36 8.8,74.37 ; 84.3,101.19 v1(85.43,102.32) ; v1(58.6,31.95) v1(57.73,31.09) ; v1(81.46,55.58) v1(80.59,54.71) ; 100.23,3.49 100.24,3.51 ; v1(58.6,102.82) v1(57.73,101.96) ; v1(62.57,7.84) 61.44,6.71 ; 84.3,53.95 v1(85.43,55.08) ; v1(81.46,102.82) v1(80.59,101.96) ; 31.65,27.12 31.66,27.13 ; v1(108.29,102.32) 107.16,101.19 ; v1(35.74,55.58) v1(34.87,54.71) ; 38.58,53.95 v1(39.71,55.08) ; v1(58.6,8.33) v1(57.73,7.47) ; v1(104.32,102.82) v1(103.45,101.96) ; v1(39.71,78.7) 38.58,77.57 ; 100.23,97.98 100.24,97.99 ; 8.79,50.74 8.8,50.75 ; v1(35.74,31.95) v1(34.87,31.09) ; v1(85.43,31.46) 84.3,30.33 ; 54.51,97.98 54.52,97.99 ; 54.51,50.74 54.52,50.75 ; 107.16,6.71 v1(108.29,7.84) ; v1(16.85,78.7) 15.72,77.57 ; v1(12.88,102.82) v1(12.01,101.96) ; v1(35.74,102.82) v1(34.87,101.96) ; 100.23,27.12 100.24,27.13 ; v1(104.32,31.95) v1(103.45,31.09) ; v1(12.88,55.58) v1(12.01,54.71) ; 77.37,3.49 77.38,3.51 ; v1(35.74,8.33) v1(34.87,7.47) ; 77.37,74.36 77.38,74.37 ; 8.79,27.12 8.8,27.13 ; 54.51,3.49 54.52,3.51